# KiCad board pi50.kicad_pcb (continued)
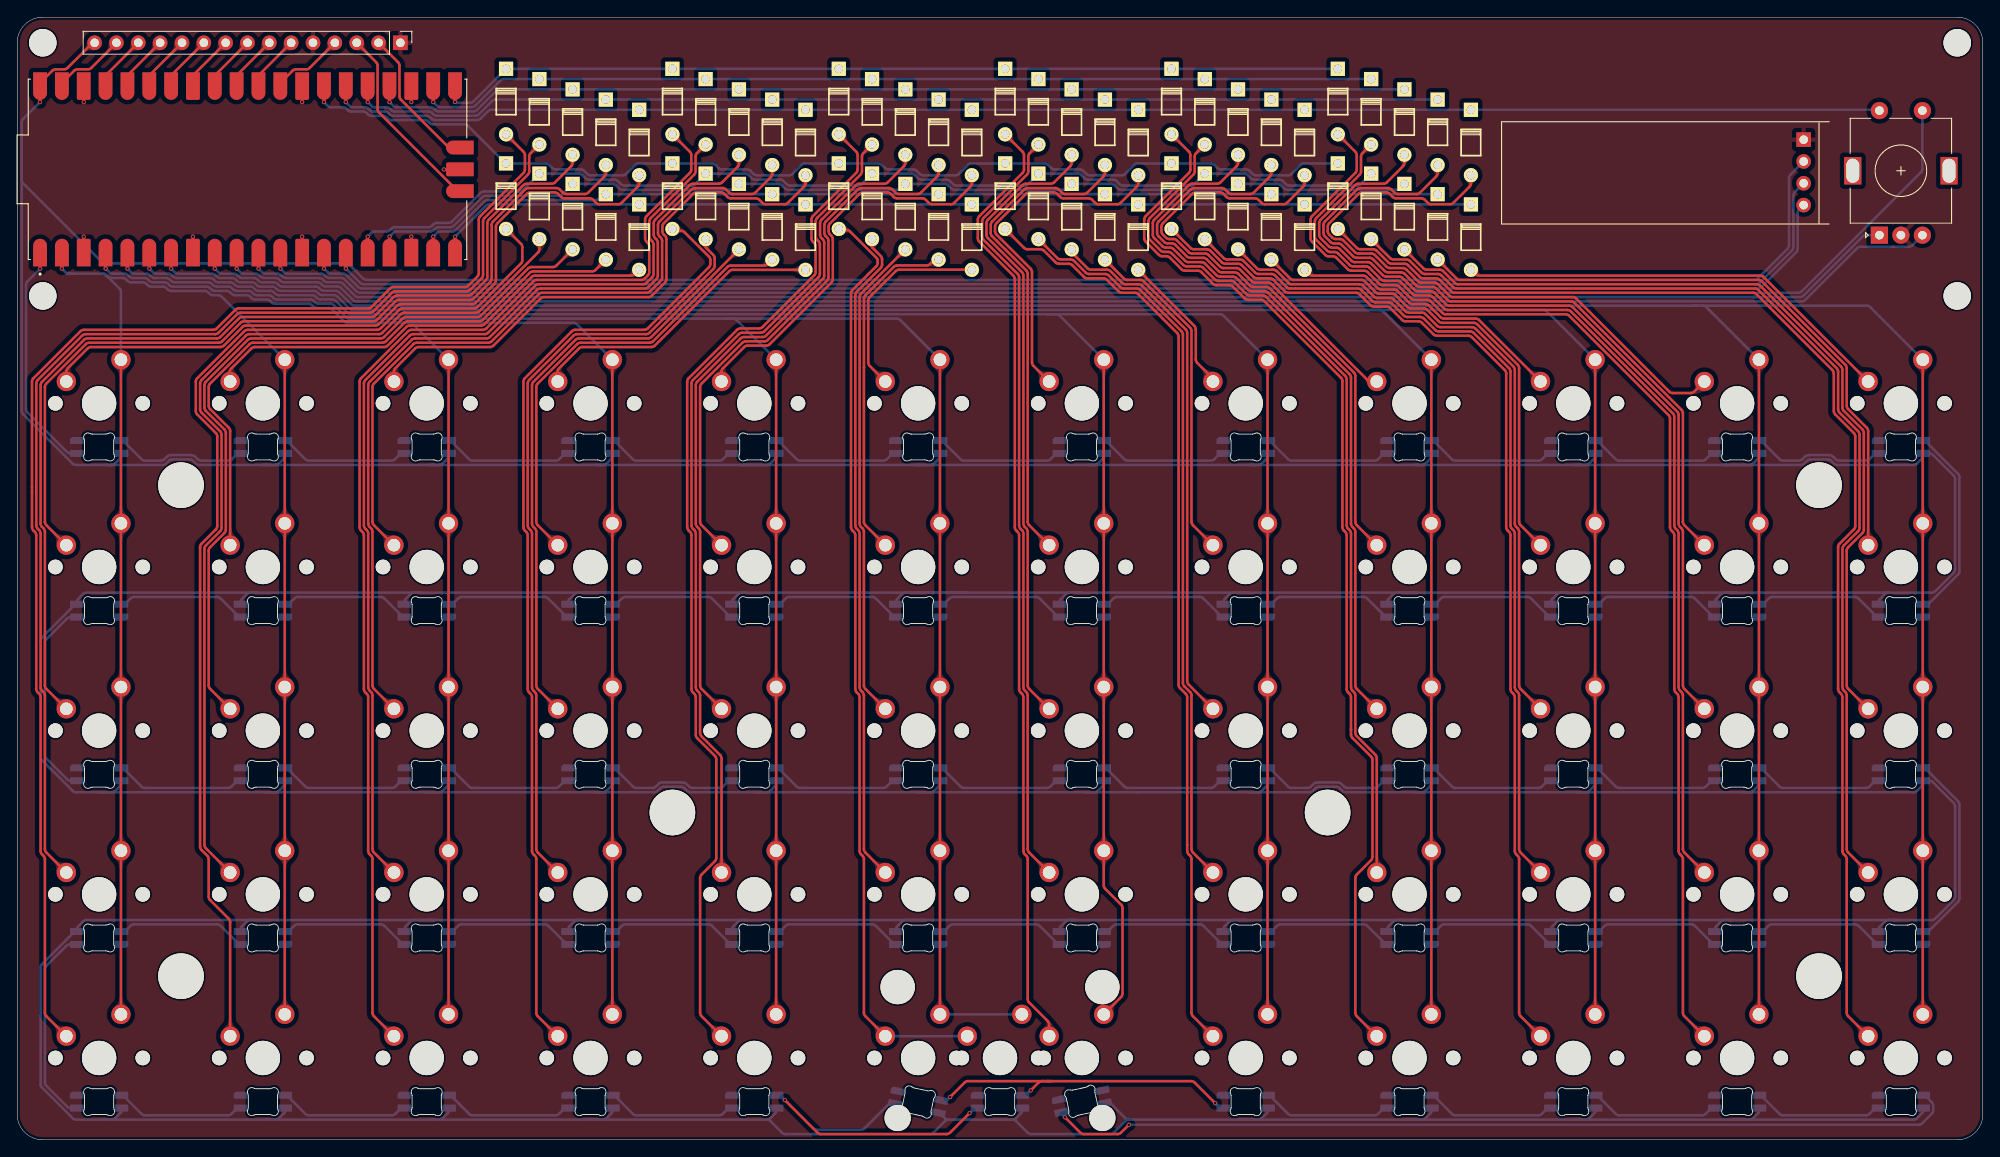
[diagram p0: board, top side]
## Routing (per net, layer and track width the routed paths; a pad name or vN(x,y) marks a point on that pad's centre or on a via; arc(x,y) is an arc through that point) (continued)
REa: length 194.5
  Top w0.3: v1(28.07,101.41) 28.06,101.41 arc(28.06,101.42) 28.06,101.42 U1.11
  Bottom w0.3: v1(28.07,101.41) 28.51,100.97 arc(28.68,100.85) 28.89,100.81 30.28,100.81 arc(30.49,100.77) 30.67,100.65 30.85,100.47 arc(31.03,100.35) 31.23,100.31 35.14,100.31 arc(35.35,100.27) 35.52,100.15 35.69,99.98 arc(35.87,99.86) 36.08,99.82 37.47,99.82 arc(37.68,99.78) 37.86,99.66 39.27,98.25 arc(39.45,98.13) 39.65,98.09 201.97,98.09 207.35,98.09 arc(207.56,98.13) 207.73,98.25 214.62,105.14 arc(214.8,105.26) 215.01,105.3 SW1.A
REb: length 202.4
  Top w0.3: U1.10 25.52,101.42 arc(25.52,101.42) 25.52,101.41 v1(25.53,101.41)
  Bottom w0.3: v1(25.53,101.41) 25.97,100.97 arc(26.14,100.85) 26.35,100.81 27.73,100.81 arc(27.94,100.77) 28.12,100.65 28.3,100.47 arc(28.48,100.35) 28.68,100.31 30.08,100.31 arc(30.28,100.27) 30.46,100.15 30.64,99.97 arc(30.82,99.85) 31.03,99.81 34.93,99.81 arc(35.14,99.77) 35.32,99.65 35.49,99.48 arc(35.66,99.36) 35.87,99.32 37.26,99.32 arc(37.47,99.28) 37.65,99.16 39.06,97.75 arc(39.24,97.63) 39.45,97.59 207.55,97.59 arc(207.76,97.63) 207.94,97.75 213.98,103.79 arc(214.16,103.91) 214.36,103.95 220,103.95 arc(220.21,103.99) 220.38,104.11 SW1.B
RGB: length 27
  Top w0.3: v1(2.67,101.4) 2.67,103.26
  Bottom w0.3: D61.4 6.18,79.9 arc(5.98,79.94) 5.8,80.05 1.19,84.67 arc(1.07,84.84) 1.03,85.05 1.03,99.54 arc(1.07,99.74) 1.19,99.92 v1(2.67,101.4)
SCL: length 180.7
  Top w0.3: U1.15 38.22,101.42 arc(38.22,101.42) 38.22,101.41 v1(38.23,101.41)
  Bottom w0.3: J2.3 206.72,110.3 arc(206.6,110.12) 206.56,109.91 206.56,103.91 arc(206.52,103.7) 206.4,103.52 202.63,99.75 arc(202.45,99.63) 202.25,99.59 40.27,99.59 arc(40.07,99.63) 39.89,99.75 v1(38.23,101.41)
SDA: length 181.5
  Top w0.3: U1.14 35.68,101.41 arc(35.68,101.41) 35.68,101.41 v1(35.68,101.41)
  Bottom w0.3: J2.4 207.22,108.26 arc(207.1,108.08) 207.06,107.87 207.06,103.7 arc(207.02,103.49) 206.9,103.31 202.84,99.25 arc(202.66,99.13) 202.45,99.09 40.07,99.09 arc(39.86,99.13) 39.68,99.25 38.27,100.66 arc(38.09,100.78) 37.89,100.82 36.49,100.82 arc(36.28,100.86) 36.11,100.98 v1(35.68,101.41)
Net-(D1-Pad2): length 82.8
  Top w0.3: K1.1 5.71,89.42 arc(5.76,89.63) 5.87,89.8 8.19,92.12 arc(8.37,92.24) 8.58,92.28 23.64,92.28 arc(23.85,92.32) 24.03,92.44 26.21,94.62 arc(26.38,94.74) 26.59,94.78 41.66,94.78 arc(41.87,94.82) 42.04,94.94 44.22,97.12 arc(44.4,97.23) 44.61,97.28 52.93,97.28 arc(53.13,97.32) 53.31,97.43 55.52,99.64 arc(55.64,99.82) 55.68,100.03 55.68,106.29 arc(55.72,106.49) 55.84,106.67 59.29,110.12 arc(59.46,110.24) 59.67,110.28 62.49,110.28 arc(62.7,110.24) 62.88,110.12 63.25,109.75 arc(63.43,109.63) 63.64,109.59 66.57,109.59 arc(66.78,109.55) 66.96,109.43 67.33,109.06 arc(67.51,108.94) 67.71,108.9 69.9,108.9 arc(70.1,108.94) 70.28,109.06 72.17,110.95 arc(72.29,111.13) 72.33,111.33 D1.2
Net-(D2-Pad2): length 64.6
  Top w0.3: K3.1 43.81,89.42 arc(43.86,89.63) 43.97,89.8 46.29,92.12 arc(46.47,92.24) 46.68,92.28 55,92.28 arc(55.2,92.32) 55.38,92.44 60.87,97.93 arc(61.05,98.05) 61.26,98.09 73.42,98.09 arc(73.63,98.13) 73.8,98.25 75.34,99.79 arc(75.46,99.97) 75.5,100.17 75.5,104.83 arc(75.46,105.04) 75.34,105.22 75.18,105.38 arc(75.07,105.56) 75.02,105.76 75.02,106.29 arc(75.07,106.49) 75.18,106.67 78.63,110.12 arc(78.81,110.24) 79.02,110.28 81.85,110.28 arc(82.05,110.24) 82.23,110.12 82.6,109.75 arc(82.78,109.63) 82.99,109.59 85.91,109.59 arc(86.12,109.55) 86.3,109.43 86.67,109.06 arc(86.85,108.94) 87.05,108.9 89.24,108.9 arc(89.45,108.94) 89.63,109.06 91.52,110.95 arc(91.64,111.13) 91.68,111.33 D2.2
Net-(D3-Pad2): length 45.9
  Top w0.3: D3.2 111.03,111.33 arc(110.98,111.13) 110.87,110.95 108.98,109.06 arc(108.8,108.94) 108.59,108.9 106.4,108.9 arc(106.2,108.94) 106.02,109.06 105.65,109.43 arc(105.47,109.55) 105.26,109.59 102.33,109.59 arc(102.12,109.63) 101.94,109.75 101.57,110.12 arc(101.39,110.24) 101.18,110.28 98.37,110.28 arc(98.16,110.24) 97.98,110.12 94.53,106.67 arc(94.41,106.49) 94.37,106.29 94.37,105.76 arc(94.41,105.56) 94.53,105.38 94.69,105.22 arc(94.81,105.04) 94.85,104.83 94.85,100.17 arc(94.81,99.97) 94.69,99.79 87.5,92.6 arc(87.33,92.48) 87.12,92.44 84.94,92.44 arc(84.73,92.4) 84.55,92.28 82.07,89.8 arc(81.96,89.63) 81.91,89.42 K5.1
Net-(D4-Pad2): length 41.5
  Top w0.3: D4.2 130.37,111.33 arc(130.33,111.13) 130.21,110.95 128.32,109.06 arc(128.15,108.94) 127.94,108.9 125.75,108.9 arc(125.55,108.94) 125.37,109.06 125,109.43 arc(124.82,109.55) 124.61,109.59 121.68,109.59 arc(121.47,109.63) 121.29,109.75 120.92,110.12 arc(120.74,110.24) 120.53,110.28 117.71,110.28 arc(117.51,110.24) 117.33,110.12 113.88,106.67 arc(113.76,106.49) 113.72,106.29 113.72,105.76 arc(113.76,105.56) 113.88,105.38 117.86,101.4 arc(117.98,101.22) 118.02,101.01 118.02,90.49 arc(118.06,90.28) 118.18,90.1 K7.1
Net-(D5-Pad2): length 52.7
  Top w0.3: 157.2,88.27 156.98,88.49 arc(156.98,88.49) 156.98,88.5 arc(156.98,88.5) 156.97,88.51 145.86,99.62 arc(145.68,99.74) 145.47,99.78 143.95,99.78 arc(143.74,99.82) 143.57,99.94 142.2,101.31 arc(142.02,101.43) 141.81,101.47 140.29,101.47 arc(140.08,101.51) 139.91,101.63 138.53,103 arc(138.36,103.12) 138.15,103.16 136.63,103.16 arc(136.42,103.2) 136.24,103.32 134.87,104.69 arc(134.69,104.81) 134.49,104.85 133.98,104.85 arc(133.77,104.89) 133.6,105.01 133.23,105.38 arc(133.11,105.56) 133.07,105.76 133.07,106.29 arc(133.11,106.49) 133.23,106.67 136.68,110.12 arc(136.85,110.24) 137.06,110.28 139.88,110.28 arc(140.09,110.24) 140.27,110.12 140.64,109.75 arc(140.82,109.63) 141.03,109.59 143.96,109.59 arc(144.17,109.55) 144.35,109.43 144.72,109.06 arc(144.9,108.94) 145.1,108.9 147.29,108.9 arc(147.49,108.94) 147.67,109.06 149.56,110.95 arc(149.68,111.13) 149.72,111.33 D5.2
Net-(D6-Pad2): length 73.4
  Top w0.3: D6.2 169.07,111.33 arc(169.03,111.13) 168.91,110.95 167.02,109.06 arc(166.84,108.94) 166.63,108.9 164.44,108.9 arc(164.24,108.94) 164.06,109.06 163.69,109.43 arc(163.51,109.55) 163.3,109.59 160.36,109.59 arc(160.15,109.63) 159.97,109.75 159.6,110.12 arc(159.42,110.24) 159.21,110.28 156.41,110.28 arc(156.2,110.24) 156.02,110.12 152.58,106.67 arc(152.46,106.49) 152.42,106.29 152.42,105.76 arc(152.46,105.56) 152.58,105.38 152.94,105.01 arc(153.12,104.89) 153.33,104.85 153.83,104.85 arc(154.04,104.81) 154.22,104.69 155.59,103.32 arc(155.77,103.2) 155.97,103.16 157.5,103.16 arc(157.7,103.12) 157.88,103 159.25,101.63 arc(159.43,101.51) 159.64,101.47 161.16,101.47 arc(161.37,101.43) 161.54,101.31 162.92,99.94 arc(163.09,99.82) 163.3,99.78 164.82,99.78 arc(165.03,99.74) 165.21,99.62 166.58,98.25 arc(166.75,98.13) 166.96,98.09 180.92,98.09 arc(181.12,98.05) 181.3,97.93 192.15,87.08 arc(192.32,86.97) 192.53,86.93 194.65,86.93 arc(194.86,86.97) 195.03,87.08 K11.1
Net-(D7-Pad2): length 53.5
  Top w0.3: 72.29,101.26 71.77,100.75 arc(71.6,100.63) 71.39,100.59 60.22,100.59 arc(60.01,100.55) 59.84,100.43 54.35,94.94 arc(54.17,94.82) 53.96,94.78 45.64,94.78 arc(45.43,94.74) 45.26,94.62 43.08,92.44 arc(42.9,92.32) 42.69,92.28 27.63,92.28 arc(27.42,92.24) 27.24,92.12 24.89,89.77 arc(24.77,89.59) 24.73,89.38 24.73,88.3
Net-(D8-Pad2): length 34.9
  Top w0.3: D8.2 83.2,101.26 arc(82.99,101.22) 82.81,101.1 74.15,92.44 arc(73.97,92.32) 73.76,92.28 65.73,92.28 arc(65.52,92.24) 65.34,92.12 63.02,89.8 arc(62.91,89.63) 62.86,89.42 K4.1
Net-(D9-Pad2): length 23.9
  Top w0.3: K6.1 99.14,90.09 arc(99.02,90.27) 98.98,90.48 98.98,97.69 arc(99.02,97.9) 99.14,98.08 102.17,101.12 arc(102.35,101.24) 102.56,101.28 110.16,101.28 arc(110.17,101.28) 110.18,101.27 arc(110.19,101.26) 110.2,101.26 D9.2
Net-(D10-Pad2): length 16.2
  Top w0.3: D10.2 136.91,94.73 arc(137.03,94.55) 137.07,94.34 137.07,90.82 arc(137.11,90.62) 137.23,90.44 139.06,88.6
Net-(D11-Pad2): length 32.6
  Top w0.3: K10.1 170,95.43 arc(169.82,95.55) 169.61,95.59 165.93,95.59 arc(165.72,95.63) 165.54,95.75 164.18,97.11 arc(164,97.23) 163.8,97.27 162.27,97.27 arc(162.07,97.32) 161.89,97.43 160.51,98.81 arc(160.33,98.93) 160.12,98.97 158.6,98.97 arc(158.39,99.01) 158.22,99.13 156.92,100.43 arc(156.75,100.55) 156.54,100.59 150.62,100.59 arc(150.41,100.63) 150.24,100.75 D11.2
Net-(D12-Pad2): length 51.5
  Top w0.3: 169.11,101.26 169.63,100.75 arc(169.81,100.63) 170.02,100.59 202.72,100.59 arc(202.92,100.55) 203.1,100.43 K12.1
Net-(D13-Pad2): length 100.4
  Top w0.3: K13.1 3.38,71.55 arc(3.26,71.73) 3.22,71.94 3.22,87.63 arc(3.26,87.84) 3.38,88.02 7.98,92.62 arc(8.16,92.74) 8.37,92.78 23.44,92.78 arc(23.64,92.82) 23.82,92.94 26,95.12 arc(26.18,95.24) 26.38,95.28 41.45,95.28 arc(41.66,95.32) 41.84,95.44 44.01,97.62 arc(44.19,97.73) 44.4,97.77 52.71,97.77 arc(52.91,97.82) 53.09,97.93 55.02,99.86 arc(55.14,100.04) 55.18,100.25 55.18,106.49 arc(55.22,106.7) 55.34,106.88 59.08,110.62 arc(59.26,110.74) 59.46,110.78 62.7,110.78 arc(62.91,110.74) 63.09,110.62 63.46,110.25 arc(63.64,110.13) 63.84,110.09 66.02,110.09 arc(66.23,110.13) 66.41,110.25 68.3,112.14 arc(68.42,112.32) 68.46,112.52 D13.2
Net-(D14-Pad2): length 82.2
  Top w0.3: D14.2 87.81,112.45 arc(87.77,112.24) 87.65,112.06 85.83,110.25 arc(85.66,110.13) 85.45,110.09 83.19,110.09 arc(82.99,110.13) 82.81,110.25 82.44,110.62 arc(82.26,110.74) 82.05,110.78 78.81,110.78 arc(78.6,110.74) 78.43,110.62 74.68,106.88 arc(74.57,106.7) 74.52,106.49 74.52,105.56 arc(74.57,105.35) 74.68,105.17 74.84,105.01 arc(74.96,104.83) 75,104.63 75,100.38 arc(74.96,100.17) 74.84,100 73.6,98.75 arc(73.42,98.63) 73.21,98.59 61.05,98.59 arc(60.84,98.55) 60.66,98.43 55.17,92.94 arc(55,92.82) 54.79,92.78 46.47,92.78 arc(46.26,92.74) 46.08,92.62 41.48,88.02 arc(41.36,87.84) 41.32,87.63 41.32,71.94 arc(41.36,71.73) 41.48,71.55 K15.1
Net-(D15-Pad2): length 63.5
  Top w0.3: K17.1 79.58,71.55 arc(79.46,71.73) 79.42,71.94 79.42,87.63 arc(79.46,87.84) 79.58,88.02 84.35,92.78 arc(84.52,92.9) 84.73,92.94 86.91,92.94 arc(87.12,92.98) 87.3,93.1 94.19,100 arc(94.31,100.17) 94.35,100.38 94.35,104.63 arc(94.31,104.83) 94.19,105.01 94.03,105.17 arc(93.91,105.35) 93.87,105.56 93.87,106.49 arc(93.91,106.7) 94.03,106.88 97.77,110.62 arc(97.95,110.74) 98.16,110.78 101.39,110.78 arc(101.6,110.74) 101.78,110.62 102.15,110.25 arc(102.33,110.13) 102.53,110.09 104.72,110.09 arc(104.93,110.13) 105.11,110.25 107,112.14 arc(107.11,112.32) 107.16,112.52 D15.2
Net-(D16-Pad2): length 57.4
  Top w0.3: K19.1 117.68,71.55 arc(117.56,71.73) 117.52,71.94 117.52,100.81 arc(117.48,101.02) 117.36,101.19 113.38,105.17 arc(113.26,105.35) 113.22,105.56 113.22,106.49 arc(113.26,106.7) 113.38,106.88 117.12,110.62 arc(117.3,110.74) 117.51,110.78 120.74,110.78 arc(120.95,110.74) 121.13,110.62 121.5,110.25 arc(121.68,110.13) 121.88,110.09 124.07,110.09 arc(124.28,110.13) 124.45,110.25 126.34,112.14 arc(126.46,112.32) 126.5,112.52 D16.2
Net-(D17-Pad2): length 69
  Top w0.3: D17.2 145.85,112.52 arc(145.81,112.32) 145.69,112.14 143.8,110.25 arc(143.62,110.13) 143.42,110.09 141.23,110.09 arc(141.03,110.13) 140.85,110.25 140.48,110.62 arc(140.3,110.74) 140.09,110.78 136.86,110.78 arc(136.65,110.74) 136.47,110.62 132.73,106.88 arc(132.61,106.7) 132.57,106.49 132.57,105.56 arc(132.61,105.35) 132.73,105.17 133.39,104.51 arc(133.57,104.39) 133.77,104.35 134.28,104.35 arc(134.49,104.31) 134.66,104.19 136.04,102.82 arc(136.21,102.7) 136.42,102.66 137.94,102.66 arc(138.15,102.62) 138.33,102.5 139.7,101.13 arc(139.87,101.01) 140.08,100.97 141.6,100.97 arc(141.81,100.93) 141.99,100.81 143.36,99.44 arc(143.54,99.32) 143.75,99.28 145.27,99.28 arc(145.48,99.24) 145.65,99.12 146.89,97.88 155.46,89.31 arc(155.58,89.14) 155.62,88.93 155.62,71.94 arc(155.66,71.73) 155.78,71.55 K21.1
Net-(D18-Pad2): length 85.2
  Top w0.3: K23.1 193.88,71.55 arc(193.76,71.73) 193.72,71.94 193.72,84.58 arc(193.68,84.79) 193.56,84.96 181.09,97.43 arc(180.92,97.55) 180.71,97.59 166.76,97.59 arc(166.55,97.63) 166.37,97.75 165,99.12 arc(164.82,99.24) 164.61,99.28 163.09,99.28 arc(162.88,99.32) 162.71,99.44 161.34,100.81 arc(161.16,100.93) 160.95,100.97 159.43,100.97 arc(159.22,101.01) 159.05,101.13 157.67,102.5 arc(157.5,102.62) 157.29,102.66 155.77,102.66 arc(155.56,102.7) 155.38,102.82 154.03,104.17 arc(153.85,104.29) 153.64,104.33 153.14,104.33 arc(152.93,104.37) 152.76,104.49 152.08,105.17 arc(151.96,105.35) 151.92,105.56 151.92,106.49 arc(151.96,106.7) 152.08,106.88 155.82,110.62 arc(155.99,110.74) 156.2,110.78 159.42,110.78 arc(159.63,110.74) 159.81,110.62 160.18,110.25 arc(160.36,110.13) 160.56,110.09 162.76,110.09 arc(162.97,110.13) 163.15,110.25 165.04,112.14 arc(165.16,112.32) 165.2,112.52 D18.2
Net-(D19-Pad2): length 71.7
  Top w0.3: K14.1 24.76,82.5 arc(24.72,82.71) 24.61,82.88 22.43,85.06 arc(22.31,85.24) 22.27,85.44 22.27,87.63 arc(22.31,87.84) 22.43,88.02 27.03,92.62 arc(27.21,92.74) 27.42,92.78 42.49,92.78 arc(42.69,92.82) 42.87,92.94 45.05,95.12 arc(45.23,95.24) 45.43,95.28 53.75,95.28 arc(53.96,95.32) 54.14,95.44 59.63,100.93 arc(59.81,101.05) 60.01,101.09 66.87,101.09 arc(67.08,101.13) 67.25,101.25 D19.2
Net-(D20-Pad2): length 53
  Top w0.3: K16.1 60.53,71.55 arc(60.41,71.73) 60.37,71.94 60.37,87.63 arc(60.41,87.84) 60.53,88.02 65.13,92.62 arc(65.31,92.74) 65.52,92.78 73.56,92.78 arc(73.76,92.82) 73.94,92.94 82.6,101.6 arc(82.78,101.72) 82.99,101.76 86.88,101.76 arc(87.09,101.8) 87.27,101.92 87.8,102.45
Net-(D21-Pad2): length 39.8
  Top w0.3: 106.68,102.45 106.16,101.94 arc(105.99,101.82) 105.78,101.78 102.35,101.78 arc(102.14,101.74) 101.97,101.62 98.64,98.29 arc(98.52,98.11) 98.48,97.9 98.48,89.91 arc(98.48,89.9) 98.47,89.9 arc(98.47,89.89) 98.47,89.89 98.47,71.94 arc(98.51,71.73) 98.63,71.55 K18.1
Net-(D22-Pad2): length 39.5
  Top w0.3: D22.2 128.71,100.25 arc(128.89,100.13) 129.1,100.09 130.62,100.09 arc(130.82,100.05) 131,99.93 136.41,94.52 arc(136.53,94.34) 136.57,94.13 136.57,71.94 arc(136.61,71.73) 136.73,71.55 K20.1
Net-(D23-Pad2): length 55.6
  Top w0.3: K22.1 174.83,71.55 arc(174.71,71.73) 174.67,71.94 174.67,89.83 arc(174.63,90.04) 174.51,90.21 169.79,94.93 arc(169.61,95.05) 169.4,95.09 165.72,95.09 arc(165.51,95.13) 165.34,95.25 163.97,96.61 arc(163.8,96.73) 163.59,96.77 162.07,96.77 arc(161.86,96.82) 161.68,96.93 160.3,98.31 arc(160.13,98.43) 159.92,98.47 158.4,98.47 arc(158.19,98.51) 158.01,98.63 156.72,99.93 arc(156.54,100.05) 156.33,100.09 148.44,100.09 arc(148.23,100.13) 148.06,100.25 D23.2
Net-(D24-Pad2): length 74.5
  Top w0.3: K24.1 215.26,82.5 arc(215.22,82.71) 215.1,82.88 212.93,85.06 arc(212.81,85.24) 212.77,85.44 212.77,89.83 arc(212.73,90.04) 212.61,90.21 202.89,99.93 arc(202.72,100.05) 202.51,100.09 167.79,100.09 arc(167.58,100.13) 167.41,100.25 D24.2
Net-(D25-Pad2): length 116.3
  Top w0.3: K25.1 3.38,52.5 arc(3.26,52.68) 3.22,52.89 3.22,70.78 arc(3.18,70.99) 3.06,71.16 2.88,71.34 arc(2.76,71.52) 2.72,71.73 2.72,87.84 arc(2.76,88.05) 2.88,88.22 7.78,93.12 arc(7.95,93.24) 8.16,93.28 23.23,93.28 arc(23.44,93.32) 23.61,93.44 25.79,95.62 arc(25.97,95.74) 26.18,95.78 41.24,95.78 arc(41.45,95.82) 41.63,95.94 43.81,98.11 arc(43.98,98.23) 44.19,98.27 52.5,98.27 arc(52.71,98.32) 52.88,98.43 54.52,100.07 arc(54.64,100.25) 54.68,100.45 54.68,106.7 arc(54.72,106.91) 54.84,107.08 58.87,111.12 arc(59.05,111.24) 59.26,111.28 62.16,111.28 arc(62.36,111.32) 62.54,111.44 64.43,113.33 arc(64.55,113.51) 64.59,113.71 D25.2
Net-(D26-Pad2): length 98.2
  Top w0.3: D26.2 83.94,113.64 arc(83.9,113.43) 83.78,113.25 81.97,111.44 arc(81.79,111.32) 81.58,111.28 78.6,111.28 arc(78.39,111.24) 78.22,111.12 74.18,107.09 arc(74.07,106.91) 74.02,106.7 74.02,105.35 arc(74.07,105.14) 74.18,104.96 74.35,104.8 arc(74.46,104.63) 74.5,104.42 74.5,100.59 arc(74.46,100.38) 74.35,100.2 73.39,99.25 arc(73.21,99.13) 73.01,99.09 60.84,99.09 arc(60.63,99.05) 60.46,98.93 54.97,93.44 arc(54.79,93.32) 54.58,93.28 46.26,93.28 arc(46.05,93.24) 45.88,93.12 40.98,88.22 arc(40.86,88.05) 40.82,87.84 40.82,71.73 arc(40.86,71.52) 40.98,71.34 41.16,71.16 arc(41.28,70.99) 41.32,70.78 41.32,52.89 arc(41.36,52.68) 41.48,52.5 K27.1
Net-(D27-Pad2): length 79.4
  Top w0.3: D27.2 103.29,113.71 arc(103.25,113.51) 103.13,113.33 101.24,111.44 arc(101.06,111.32) 100.85,111.28 97.94,111.28 arc(97.73,111.24) 97.56,111.12 93.53,107.09 arc(93.41,106.92) 93.37,106.71 93.37,105.35 arc(93.41,105.14) 93.53,104.96 93.69,104.8 arc(93.81,104.63) 93.85,104.42 93.85,100.59 arc(93.81,100.38) 93.69,100.2 87.09,93.6 arc(86.91,93.48) 86.71,93.44 84.52,93.44 arc(84.32,93.4) 84.14,93.28 79.08,88.22 arc(78.96,88.05) 78.92,87.84 78.92,71.73 arc(78.96,71.52) 79.08,71.34 79.26,71.16 arc(79.38,70.99) 79.42,70.78 79.42,52.89 arc(79.46,52.68) 79.58,52.5 K29.1
Net-(D28-Pad2): length 73.4
  Top w0.3: K31.1 117.68,52.5 arc(117.56,52.68) 117.52,52.89 117.52,70.78 arc(117.48,70.99) 117.36,71.16 117.18,71.34 arc(117.06,71.52) 117.02,71.73 117.02,100.6 arc(116.98,100.81) 116.86,100.99 112.88,104.97 arc(112.76,105.14) 112.72,105.35 112.72,106.7 arc(112.76,106.91) 112.88,107.08 116.92,111.12 arc(117.09,111.24) 117.3,111.28 120.2,111.28 arc(120.41,111.32) 120.58,111.44 122.48,113.33 arc(122.59,113.51) 122.63,113.71 D28.2
Net-(D29-Pad2): length 85
  Top w0.3: K33.1 155.78,52.5 arc(155.66,52.68) 155.62,52.89 155.62,70.78 arc(155.58,70.99) 155.46,71.16 155.28,71.34 arc(155.16,71.52) 155.12,71.73 155.12,88.72 arc(155.08,88.93) 154.96,89.11 145.45,98.62 arc(145.27,98.74) 145.06,98.78 143.54,98.78 arc(143.33,98.82) 143.15,98.94 141.78,100.31 arc(141.61,100.43) 141.4,100.47 139.88,100.47 arc(139.67,100.51) 139.49,100.63 138.12,102 arc(137.94,102.12) 137.74,102.16 136.21,102.16 arc(136.01,102.2) 135.83,102.32 134.46,103.69 arc(134.28,103.81) 134.07,103.85 133.57,103.85 arc(133.36,103.89) 133.18,104.01 132.23,104.97 arc(132.11,105.14) 132.07,105.35 132.07,106.7 arc(132.11,106.91) 132.23,107.08 136.26,111.12 arc(136.44,111.24) 136.65,111.28 139.55,111.28 arc(139.75,111.32) 139.93,111.44 141.82,113.33 arc(141.94,113.51) 141.98,113.71 D29.2
Net-(D30-Pad2): length 101.1
  Top w0.3: K35.1 193.88,52.5 arc(193.76,52.68) 193.72,52.89 193.72,70.78 arc(193.68,70.99) 193.56,71.16 193.38,71.34 arc(193.26,71.52) 193.22,71.73 193.22,84.37 arc(193.18,84.58) 193.06,84.76 180.89,96.93 arc(180.71,97.05) 180.5,97.09 166.55,97.09 arc(166.34,97.13) 166.16,97.25 164.79,98.62 arc(164.62,98.74) 164.41,98.78 162.89,98.78 arc(162.68,98.82) 162.5,98.94 161.13,100.31 arc(160.95,100.43) 160.75,100.47 159.22,100.47 arc(159.02,100.51) 158.84,100.63 157.47,102 arc(157.29,102.12) 157.08,102.16 155.56,102.16 arc(155.35,102.2) 155.18,102.32 153.82,103.67 arc(153.65,103.79) 153.44,103.83 152.93,103.83 arc(152.72,103.87) 152.55,103.99 151.58,104.97 arc(151.46,105.14) 151.42,105.35 151.42,106.7 arc(151.46,106.91) 151.58,107.08 155.61,111.12 arc(155.79,111.24) 156,111.28 158.89,111.28 arc(159.1,111.32) 159.28,111.44 161.17,113.33 arc(161.29,113.51) 161.33,113.71 D30.2
Net-(D31-Pad2): length 89.8
  Top w0.3: D31.2 62.69,101.75 arc(62.52,101.63) 62.31,101.59 59.81,101.59 arc(59.6,101.54) 59.42,101.43 53.93,95.94 arc(53.76,95.82) 53.55,95.78 45.23,95.78 arc(45.02,95.74) 44.84,95.62 42.66,93.44 arc(42.49,93.32) 42.28,93.28 27.21,93.28 arc(27,93.24) 26.83,93.12 21.93,88.22 arc(21.81,88.05) 21.77,87.84 21.77,85.24 arc(21.81,85.03) 21.93,84.85 24.11,82.68 arc(24.22,82.5) 24.27,82.29 24.27,71.03 arc(24.22,70.82) 24.11,70.64 22.43,68.97 arc(22.31,68.79) 22.27,68.58 22.27,52.89 arc(22.31,52.68) 22.43,52.5 K26.1
Net-(D32-Pad2): length 69.5
  Top w0.3: D32.2 73.73,93.44 arc(73.56,93.32) 73.35,93.28 65.31,93.28 arc(65.1,93.24) 64.93,93.12 60.03,88.22 arc(59.91,88.05) 59.87,87.84 59.87,71.73 arc(59.91,71.52) 60.03,71.34 60.21,71.16 arc(60.33,70.99) 60.37,70.78 60.37,52.89 arc(60.41,52.68) 60.53,52.5 K28.1
Net-(D33-Pad2): length 56.8
  Top w0.3: K30.1 98.63,52.5 arc(98.51,52.68) 98.47,52.89 98.47,70.78 arc(98.43,70.99) 98.31,71.16 98.13,71.34 arc(98.01,71.52) 97.97,71.73 97.97,98.1 arc(98.01,98.31) 98.13,98.49 D33.2
Net-(D34-Pad2): length 62.3
  Top w0.3: 122.63,103.28 124.48,101.44 arc(124.66,101.32) 124.86,101.28 126.75,101.28 arc(126.96,101.24) 127.13,101.12 128.5,99.75 arc(128.68,99.63) 128.89,99.59 130.41,99.59 arc(130.62,99.55) 130.79,99.43 135.91,94.31 arc(136.03,94.14) 136.07,93.93 136.07,53.39 arc(136.11,53.18) 136.23,53 K32.1
Net-(D35-Pad2): length 78.5
  Top w0.3: K34.1 174.83,52.5 arc(174.71,52.68) 174.67,52.89 174.67,70.78 arc(174.63,70.99) 174.51,71.16 174.33,71.34 arc(174.21,71.52) 174.17,71.73 174.17,89.62 arc(174.13,89.83) 174.01,90.01 169.58,94.43 arc(169.41,94.55) 169.2,94.59 165.51,94.59 arc(165.31,94.63) 165.13,94.75 163.77,96.12 arc(163.59,96.23) 163.38,96.27 161.86,96.27 arc(161.65,96.32) 161.48,96.43 160.1,97.81 arc(159.92,97.93) 159.71,97.97 158.19,97.97 arc(157.98,98.01) 157.8,98.13 156.51,99.43 arc(156.33,99.55) 156.12,99.59 148.24,99.59 arc(148.03,99.63) 147.85,99.75 146.48,101.12 arc(146.3,101.24) 146.09,101.28 144.57,101.28 arc(144.36,101.32) 144.19,101.44 D35.2
Net-(D36-Pad2): length 99
  Top w0.3: K36.1 212.93,52.5 arc(212.81,52.68) 212.77,52.89 212.77,68.58 arc(212.81,68.79) 212.93,68.97 214.6,70.64 arc(214.72,70.82) 214.76,71.03 214.76,82.29 arc(214.72,82.5) 214.6,82.68 212.43,84.85 arc(212.31,85.03) 212.27,85.24 212.27,89.62 arc(212.23,89.83) 212.11,90.01 202.69,99.43 arc(202.51,99.55) 202.3,99.59 167.58,99.59 arc(167.38,99.63) 167.2,99.75 165.83,101.12 arc(165.65,101.24) 165.44,101.28 163.92,101.28 arc(163.71,101.32) 163.54,101.44 D36.2
Net-(D37-Pad2): length 133.3
  Top w0.3: D37.2 59.71,114.83 arc(59.59,114.66) 59.55,114.45 59.55,112.73 arc(59.51,112.52) 59.39,112.34 54.34,107.29 arc(54.22,107.12) 54.18,106.91 54.18,100.66 arc(54.14,100.45) 54.02,100.28 52.68,98.93 arc(52.5,98.82) 52.29,98.77 43.99,98.77 arc(43.78,98.73) 43.6,98.61 41.42,96.44 arc(41.25,96.32) 41.04,96.28 25.97,96.28 arc(25.76,96.23) 25.59,96.12 23.41,93.94 arc(23.23,93.82) 23.02,93.78 7.96,93.78 arc(7.75,93.74) 7.57,93.62 2.38,88.43 arc(2.26,88.25) 2.22,88.04 2.22,71.52 arc(2.26,71.31) 2.38,71.14 2.56,70.96 arc(2.68,70.78) 2.72,70.57 2.72,52.68 arc(2.76,52.47) 2.88,52.29 3.06,52.11 arc(3.18,51.94) 3.22,51.73 3.22,33.84 arc(3.26,33.63) 3.38,33.45 K37.1
Net-(D38-Pad2): length 115.2
  Top w0.3: K39.1 41.48,33.45 arc(41.36,33.63) 41.32,33.84 41.32,51.73 arc(41.28,51.94) 41.16,52.11 40.98,52.29 arc(40.86,52.47) 40.82,52.68 40.82,70.57 arc(40.78,70.78) 40.66,70.96 40.48,71.14 arc(40.36,71.31) 40.32,71.52 40.32,88.04 arc(40.36,88.25) 40.48,88.43 45.67,93.62 arc(45.85,93.74) 46.05,93.78 54.37,93.78 arc(54.58,93.82) 54.76,93.94 60.25,99.43 arc(60.43,99.55) 60.64,99.59 72.8,99.59 arc(73.01,99.63) 73.18,99.75 73.85,100.41 arc(73.96,100.59) 74.01,100.79 74.01,104.21 arc(73.96,104.42) 73.85,104.6 73.68,104.76 arc(73.57,104.93) 73.52,105.14 73.52,106.91 arc(73.57,107.12) 73.68,107.29 78.73,112.34 arc(78.85,112.52) 78.89,112.73 78.89,114.45 arc(78.94,114.65) 79.05,114.83 D38.2
Net-(D39-Pad2): length 96.5
  Top w0.3: D39.2 98.4,114.83 arc(98.28,114.66) 98.24,114.45 98.24,112.74 arc(98.2,112.53) 98.08,112.35 93.03,107.3 arc(92.91,107.13) 92.87,106.92 92.87,105.14 arc(92.91,104.93) 93.03,104.76 93.19,104.6 arc(93.31,104.42) 93.35,104.21 93.35,100.79 arc(93.31,100.59) 93.19,100.41 86.88,94.1 arc(86.71,93.98) 86.5,93.94 84.32,93.94 arc(84.11,93.9) 83.93,93.78 78.58,88.43 arc(78.46,88.25) 78.42,88.04 78.42,71.52 arc(78.46,71.31) 78.58,71.14 78.76,70.96 arc(78.88,70.78) 78.92,70.57 78.92,52.68 arc(78.96,52.47) 79.08,52.29 79.26,52.11 arc(79.38,51.94) 79.42,51.73 79.42,47.34 arc(79.46,47.14) 79.58,46.96 81.76,44.78 arc(81.87,44.61) 81.92,44.4 K41.1
Net-(D40-Pad2): length 90.4
  Top w0.3: D40.2 117.75,114.83 arc(117.63,114.66) 117.59,114.45 117.59,112.73 arc(117.55,112.52) 117.43,112.34 112.38,107.29 arc(112.26,107.12) 112.22,106.91 112.22,105.14 arc(112.26,104.93) 112.38,104.76 116.36,100.78 arc(116.48,100.6) 116.52,100.39 116.52,71.52 arc(116.56,71.31) 116.68,71.14 116.86,70.96 arc(116.98,70.78) 117.02,70.57 117.02,52.68 arc(117.06,52.47) 117.18,52.29 117.36,52.11 arc(117.48,51.94) 117.52,51.73 117.52,33.84 arc(117.56,33.63) 117.68,33.45 K43.1
Net-(D41-Pad2): length 102
  Top w0.3: K45.1 158.12,44.43 arc(158.07,44.64) 157.96,44.82 155.78,46.99 arc(155.66,47.17) 155.62,47.38 155.62,51.73 arc(155.58,51.94) 155.46,52.11 155.28,52.29 arc(155.16,52.47) 155.12,52.68 155.12,70.57 arc(155.08,70.78) 154.96,70.96 154.78,71.14 arc(154.66,71.31) 154.62,71.52 154.62,88.51 arc(154.58,88.72) 154.46,88.9 145.24,98.12 arc(145.06,98.24) 144.85,98.28 143.33,98.28 arc(143.12,98.32) 142.95,98.44 141.58,99.81 arc(141.4,99.93) 141.19,99.97 139.67,99.97 arc(139.46,100.01) 139.28,100.13 137.91,101.5 arc(137.74,101.62) 137.53,101.66 136.01,101.66 arc(135.8,101.7) 135.62,101.82 134.25,103.19 arc(134.07,103.31) 133.87,103.35 133.36,103.35 arc(133.15,103.39) 132.98,103.51 131.73,104.76 arc(131.61,104.93) 131.57,105.14 131.57,106.91 arc(131.61,107.12) 131.73,107.29 136.78,112.34 arc(136.9,112.52) 136.94,112.73 136.94,114.45 arc(136.98,114.66) 137.1,114.83 D41.2